# Altium PCB ESC_PIC32MK.PcbDoc (part 1 of 2) (continued)
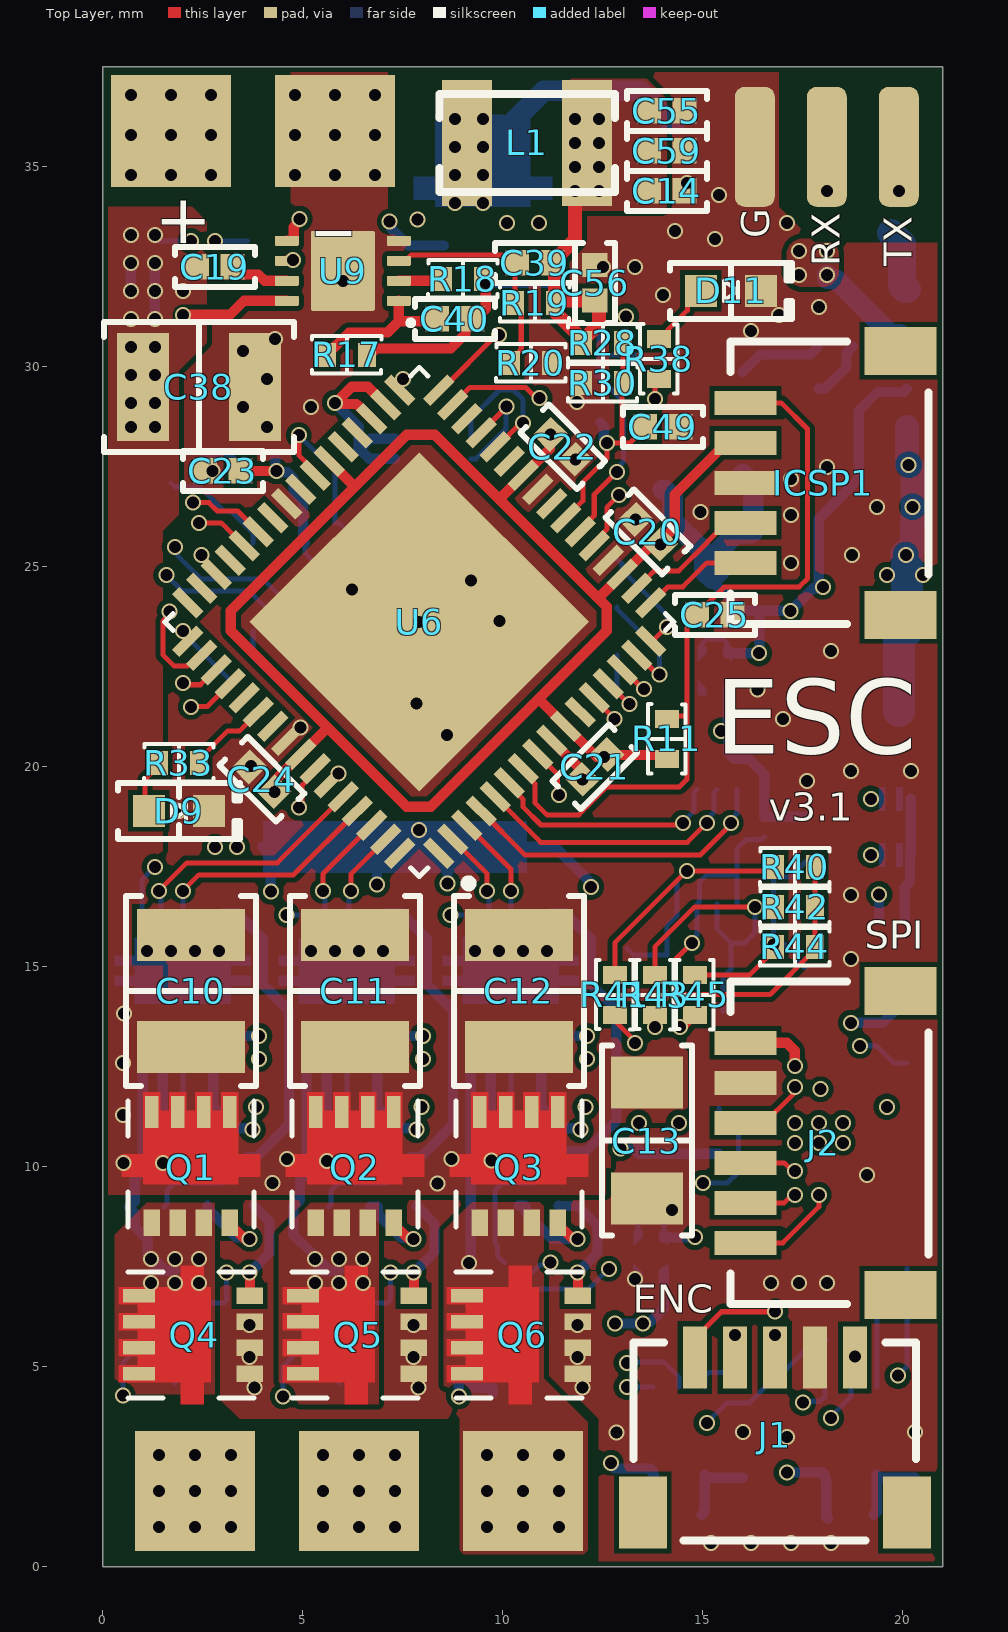
[diagram p0: Top Layer view]
## Design rules (kind name [scope] priority, off if disabled: settings)
BoardOutlineClearance [((OnLayer('Top Overlay') = False) AND (OnLayer('Bottom Overlay') = False))] p1: gap=0.127 ignorepadtopadclearanceinfootprint=FALSE
Clearance "PolyGon Pour Clearance" [InPolygon] p1: gap=0.127 ignorepadtopadclearanceinfootprint=FALSE
Clearance [All] p2: gap=0.127 ignorepadtopadclearanceinfootprint=FALSE
HoleSize [All] p1: absolutevalues=TRUE maxlimit=50 minlimit=0.2 maxpercent=80.000 minpercent=20.000
HoleToHoleClearance [All] p1: gap=0.2 allowstackedmicrovias=TRUE
MinimumSolderMaskSliver [All] p1: minsoldermaskwidth=0.01
PlaneClearance [All] p1: clearance=0.127
PlaneConnect [All] p1: pad.planeconnectstyle=Direct pad.reliefexpansion=0.508 pad.reliefentries=4 pad.reliefconductorwidth=0.254 pad.reliefairgap=0.254 via.planeconnectstyle=Relief via.reliefexpansion=0.508 via.reliefentries=4 via.reliefconductorwidth=0.254 via.reliefairgap=0.254
PolygonConnect PolygonRelief [IsPolygon and not (IsNamedPolygon('PolygonDirect'))] p1: thpad.connectstyle=Relief thpad.reliefconductorwidth=0.254 thpad.reliefentries=4 thpad.polygonreliefangle="90 Angle" thpad.airgapwidth=0.254 smdpad.connectstyle=Relief smdpad.reliefconductorwidth=0.254 smdpad.reliefentries=4 smdpad.polygonreliefangle="90 Angle" smdpad.airgapwidth=0.254 via.connectstyle=Direct via.reliefconductorwidth=0.254 via.reliefentries=4 via.polygonreliefangle="90 Angle" via.airgapwidth=0.254
PolygonConnect PolygonDirect [All] p2: connectstyle=Direct reliefconductorwidth=0.254 reliefentries=4 polygonreliefangle="90 Angle" airgapwidth=0.254
RoutingVias [All] p1: holewidth=0.3 width=0.45 viastyle="Through Hole" minholewidth=0.3 minwidth=0.4 maxholewidth=0.5 maxwidth=10
SolderMaskExpansion SolderMaskExpansionVia [IsVia] p1: expansion=0.102 istentingtop=TRUE
SolderMaskExpansion [All] p2: expansion=0.102 istentingtop=FALSE
SupplyNets "Schematic Supply Nets_7" [InNet('VIN')] p1: voltage=0.000
SupplyNets "Schematic Supply Nets_5" [InNet('3V3_MCU')] p2: voltage=0.000
SupplyNets "Schematic Supply Nets_4" [InNet('5V')] p3: voltage=0.000
SupplyNets "Schematic Supply Nets_3" [InNet('12V')] p4: voltage=0.000
SupplyNets "Schematic Supply Nets_2" [InNet('GND')] p5: voltage=0.000
SupplyNets "Schematic Supply Nets_1" [InNet('3V3')] p6: voltage=0.000
SupplyNets "Schematic Supply Nets" [InNet('VBAT')] p7: voltage=0.000
Width [All] p1: maxlimit=2 minlimit=0.127 preferedwidth=0.254
25 further rules are at their usual default settings.

## Classes and differential pairs
component class U_Half_Bridges: C1 C2 C3 C4 C5 C6 C7 C8 C9 C18 C37 C42 C43 C44 C51 C52 D2 D3 D4 Q1 Q2 Q3 Q4 Q5 Q6 R1 R2 R3 R4 R5 R6 R7 R8 R9 R10 R12 R13 R14 R15 R16 R32 R34 R40 R41 R42 R43 R44 R45 R46 R47 R48 U1 U2 U3 U7 U8

## Components (designator, comment, footprint, x,y, rotation, side; value= is the part's Value field where it differs from the comment)
C1 "0.1 µF" "CAP 0402_1005" 1.1,9 r0 bottom
C2 "1 µF" "CAP 0402_1005" 3.2,11.6 r0 bottom
C3 "0.1 µF" "CAP 0402_1005" 3.2,12.6 r0 bottom
C4 "0.1 µF" "CAP 0402_1005" 5.2,9 r0 bottom
C5 "1 µF" "CAP 0402_1005" 7.3,12.6 r0 bottom
C6 "0.1 µF" "CAP 0402_1005" 7.3,11.6 r0 bottom
C7 "0.1 µF" "CAP 0402_1005" 9.6,7.6 r0 bottom
C8 "1 µF" "CAP 0402_1005" 11.4,11.6 r0 bottom
C9 "0.1 µF" "CAP 0402_1005" 11.4,12.6 r0 bottom
C10 "100 µF" "CAP 1210_3225 - 1MM" 2.2,14.4 r270 top
C11 "100 µF" "CAP 1210_3225 - 1MM" 6.3,14.4 r270 top
C12 "100 µF" "CAP 1210_3225 - 1MM" 10.4,14.4 r270 top
C13 "10 µF" "CAP 1206_3216 - 0.8MM" 13.6,10.652 r90 top
C14 "1 µF" "CAP 0402_1005" 14.1,34.4 r180 top
C15 "100 µF" "CAP 1210_3225 - 1MM" 2.4,30.2 r180 bottom
C16 "0.1 µF" "CAP 0402_1005" 6.4,27.5 r90 bottom
C17 "0.1 µF" "CAP 0402_1005" 8.9,5.3 r270 bottom
C18 "0.1 µF" "CAP 0402_1005" 17.1,2.8 r90 bottom
C19 "0.1 µF" "CAP 0402_1005" 2.8,32.5 r0 top
C20 "0.1 µF" "CAP 0402_1005" 13.628,25.875 r315 top
C21 "0.1 µF" "CAP 0402_1005" 12.3,20 r45 top
C22 "0.1 µF" "CAP 0402_1005" 11.5,28 r135 top
C23 "0.1 µF" "CAP 0402_1005" 3,27.4 r0 top
C24 "0.1 µF" "CAP 0402_1005" 3.976,19.688 r315 top
C25 "0.1 µF" "CAP 0402_1005" 15.3,23.8 r0 top
C26 "1 µF" "CAP 0402_1005" 18.3,30.5 r180 bottom
C27 "22 µF" "CAP 0805_2012" 12.3,34 r90 bottom
C28 "1 µF" "CAP 0402_1005" 16.7,25.9 r180 bottom
C29 "22 µF" "CAP 0603_1608" 15.9,24.7 r180 bottom
C30 "22 µF" "CAP 0603_1608" 19.4,25.3 r0 bottom
C31 "0.1 µF" "CAP 0402_1005" 19.8,26.5 r0 bottom
C32 "0.1 µF" "CAP 0402_1005" 16.4,22.4 r90 bottom
C33 "0.1 µF" "CAP 0402_1005" 15.9,20.9 r180 bottom
C34 "0.1 µF" "CAP 0402_1005" 14.8,7.8 r90 bottom
C35 "0.1 µF" "CAP 0402_1005" 14.3,6.3 r180 bottom
C36 "100 µF" "CAP 1210_3225 - 1MM" 17.5,9.5 r90 bottom
C37 "0.1 µF" "CAP 0402_1005" 12.8,2.9 r90 bottom
C38 "100 µF" "CAP 1210_3225 - 1MM" 2.4,29.5 r180 top
C39 "22pF" "CAP 0402_1005" 10.8,32.6 r0 top
C40 "1 nF" "CAP 0402_1005" 8.8,31.2 r0 top
C41 "0.1 µF" "CAP 0402_1005" 17.6,19.2 r270 bottom
C42 "10 nF" "CAP 0402_1005" 13.1,15.9 r270 bottom
C43 "10 nF" "CAP 0402_1005" 16.1,14.9 r180 bottom
C44 "10 nF" "CAP 0402_1005" 17.6,17.2 r90 bottom
C45 "0.1 µF" "CAP 0402_1005" 11.9,29.8 r0 bottom
C46 "100 µF" "CAP 1210_3225 - 1MM" 10.6,19.4 r270 bottom
C47 "100 µF" "CAP 1210_3225 - 1MM" 7.3,19.4 r270 bottom
C48 "100 µF" "CAP 1210_3225 - 1MM" 4,19.4 r270 bottom
C49 "0.1 µF" "CAP 0402_1005" 14,28.5 r180 top
C50 "0.1 µF" "CAP 0402_1005" 4.5,26.7 r180 bottom
C51 "10 nF" "CAP 0402_1005" 18.1,6.1 r90 bottom
C52 "10 nF" "CAP 0402_1005" 20.1,7.9 r90 bottom
C53 "0.1 µF" "CAP 0402_1005" 1.7,23 r180 bottom
C54 "22 µF" "CAP 0805_2012" 19.1,23.2 r0 bottom
C55 "1 µF" "CAP 0402_1005" 14.1,36.4 r180 top
C56 "0.1 µF" "CAP 0402_1005" 12.3,32.1 r270 top
C57 "100 µF" "CAP 1210_3225 - 1MM" 17,34 r270 bottom
C58 "0.1 µF" "CAP 0402_1005" 9.2,25.1 r90 bottom
C59 "1 µF" "CAP 0402_1005" 14.1,35.4 r180 top
C60 "100 µF" "CAP 1210_3225 - 1MM" 7.1,31 r0 bottom
C61 "22 µF" "CAP 0805_2012" 19.1,21.4 r0 bottom
C62 "22 µF" "CAP 0603_1608" 14,27.6 r270 bottom
D1 "SE10FGHM3/H" "SMF DO-219AB" 19.7,34.8 r270 bottom
D2 "TVN3V3B1S-DFN1006-2LDG" 0402 12.5,22.8 r0 bottom
D3 "TVN3V3B1S-DFN1006-2LDG" 0402 12.5,25.2 r0 bottom
D4 "TVN3V3B1S-DFN1006-2LDG" 0402 12.5,24 r0 bottom
D5 "TVN3V3B1S-DFN1006-2LDG" 0402 13.8,30.3 r180 bottom
D6 "TVN3V3B1S-DFN1006-2LDG" 0402 12.1,28.6 r0 bottom
D9 "Green" "LED 0603_1608 GREEN" 1.9,18.9 r0 top
D11 "Green" "LED 0603_1608 GREEN" 15.7,31.9 r0 top
D12 "SE10FGHM3/H" "SMF DO-219AB" 14.3,34.6 r90 bottom
ICSP1 "SM05B-SRSS-TB(LF)(SN)" "JST SM05B-SRSS-TB" 18.1,27.1 r270 top
J1 "SM05B-SRSS-TB(LF)(SN)" "JST SM05B-SRSS-TB" 16.8,3.2 r180 top
J2 "SM06B-SRSS-TB(LF)(SN)" "JST SM06B-SRSS-TB" 18.1,10.6 r270 top
L1 "2.2µH" "IND 1008_2520"#1 10.6,35.6 r0 top
L2 "4.7µH" "IND 1008_2520"#2 16,28.6 r270 bottom
Q1 "NVTFS5C680NL" NVTFS015N04CTAG 2.2,10.07 r90 top
Q2 "NVTFS5C680NL" NVTFS015N04CTAG 6.3,10.07 r90 top
Q3 "NVTFS5C680NL" NVTFS015N04CTAG 10.4,10.07 r90 top
Q4 "NVTFS5C680NL" NVTFS015N04CTAG 2.2,5.8 r180 top
Q5 "NVTFS5C680NL" NVTFS015N04CTAG 6.3,5.8 r180 top
Q6 "NVTFS5C680NL" NVTFS015N04CTAG 10.4,5.8 r180 top
Q7 "NVTFS5C680NL" NVTFS015N04CTAG 9.5,34.5 r90 bottom
R1 "10k" RES_0402 18.7,1.3 r0 bottom
R2 "2R" RES_0402 2.619,9.604 r270 bottom
R3 "10k" RES_0402 13.4,10.9 r90 bottom
R4 "10k" RES_0402 14.4,1.3 r0 bottom
R5 "10 mOhms" "RES 1206_3216" 1.8,6 r270 bottom value="39 mOhms"
R6 "2R" RES_0402 3.619,9.604 r270 bottom
R7 "2R" RES_0402 6.7,9.6 r270 bottom
R8 "10 mOhms" "RES 1206_3216" 5.9,6 r270 bottom value="39 mOhms"
R9 "10k" RES_0402 14.4,10.9 r90 bottom
R10 "10k" RES_0402 16,2.8 r90 bottom
R11 "4.7k" RES_0402 14.1,20.7 r270 top
R12 "2R" RES_0402 7.7,9.6 r270 bottom
R13 "2R" RES_0402 10.4,9.6 r270 bottom
R14 "10k" RES_0402 15.4,10.9 r90 bottom
R15 "2R" RES_0402 11.4,9.6 r270 bottom
R16 "10k" RES_0402 20.3,2.8 r90 bottom
R17 "10k" RES_0402 6.1,30.3 r180 top
R18 "100k" RES_0402 9,32.2 r0 top
R19 "42k" RES_0402 10.8,31.6 r180 top
R20 "4.7k" RES_0402 10.7,30.1 r0 top
R21 "0R" RES_0402 19.7,19.2 r180 bottom
R22 "0R" RES_0402 19.7,17.8 r180 bottom
R23 "10k" RES_0402 3.8,27.7 r180 bottom
R24 "4.7k" RES_0402 1.7,26.6 r270 bottom
R25 "1R" "RES 0603_1608" 20.1,31.3 r270 bottom
R27 "33k" RES_0402 11.9,31.8 r180 bottom
R28 "33k" RES_0402 12.5,30.6 r180 top
R29 "4.7k" RES_0402 11.9,30.8 r180 bottom
R30 "10k" RES_0402 12.5,29.6 r180 top
R31 "10 mOhms" "RES 1206_3216" 2.4,32.9 r180 bottom value="39 mOhms"
R32 "1k" RES_0402 16.4,4.9 r180 bottom
R33 "2k" RES_0402 1.9,20.1 r0 top
R34 "1k" RES_0402 19.8,6.4 r180 bottom
R35 "10k" RES_0402 3.8,22.2 r0 bottom
R38 "1k" RES_0402 13.9,30.2 r270 top
R40 "33k" RES_0402 17.3,17.5 r0 top
R41 "33k" RES_0402 12.8,14.3 r90 top
R42 "33k" RES_0402 17.3,16.5 r0 top
R43 "33k" RES_0402 13.8,14.3 r90 top
R44 "33k" RES_0402 17.3,15.5 r0 top
R45 "33k" RES_0402 14.8,14.3 r90 top
R46 "10k" RES_0402 14.1,14.8 r270 bottom
R47 "10k" RES_0402 16,13.9 r0 bottom
R48 "10k" RES_0402 17.6,14.5 r270 bottom
U1 "UCC27282" VSON-10 2,14.9 r90 bottom
U2 "UCC27282" VSON-10 6.1,14.9 r90 bottom
U3 "UCC27282" VSON-10 10.2,14.9 r90 bottom
U4 "TMP1075" 8_WSON_2x2_0.5mm 10.5,5.3 r270 bottom
U5 "TMP1075" 8_WSON_2x2_0.5mm 8.25,27.45 r180 bottom
U6 "PIC32MK0512MCF064" QFN50P900X900X100-65N 7.911,23.623 r135 top
U7 "INA185" "TI SC70-6 DCK" 14.4,3.4 r90 bottom
U8 "INA185" "TI SC70-6 DCK" 18.7,3.4 r90 bottom
U9 "LM25085" 8_WSON_3x3_0.5mm 6,32.4 r180 top
U10 "5V Buck" "TSOT-26-6 - 3.2mm" 19,28.5 r90 bottom
U11 "3.3V LDO" XDFN-4 15.3,22.4 r90 bottom
U12 "3.3V LDO" XDFN-4 13.7,7.8 r90 bottom
U13 "4x Comparator" QFN50P300X300X100-16N 15.1,18 r180 bottom
U14 "INA185" "TI SC70-6 DCK" 4.4,24.5 r270 bottom
U15 "TPS22810" 6-WSON_2x2_0.65mm 19.4,15.2 r90 bottom
Y1 "27MHz" "ABRACON ASD" 7.1,25.1 r180 bottom

## Footprints (in the part's own frame and the unit in brackets; to place one, negate y for a bottom-side part, rotate by r counter-clockwise, add the part's x,y. Pads: shape width x height; smd on the part's side, far side on the other; paste and mask are expansions set on the pad)
6-WSON_2x2_0.65mm [mm]
  rrect25% 0.45x0.3 smd: 1(-0.975,0.65) 2(-0.975,0) 3(-0.975,-0.65) 4(0.975,-0.65) 5(0.975,0) 6(0.975,0.65)
  rrect5% 0.9x1.6 smd paste-2: 7(0,0)
  silkscreen extent -1.01,1.14 -0.89,1.26, body extent -1,-1 1,1, height 0.75
8_WSON_2x2_0.5mm [mm]
  rrect25% 0.5x0.25 smd: 1(-0.95,0.75) 2(-0.95,0.25) 3(-0.95,-0.25) 4(-0.95,-0.75) 5(0.95,-0.75) 6(0.95,-0.25) 7(0.95,0.25) 8(0.95,0.75)
  rrect5% 0.9x1.6 smd paste-2: 9(0,0)
  silkscreen extent -1.01,1.14 -0.89,1.26, body extent -1,-1 1,1, height 0.75
8_WSON_3x3_0.5mm [mm]
  rrect25% 0.6x0.25 smd: 1(-1.4,0.75) 2(-1.4,0.25) 3(-1.4,-0.25) 4(-1.4,-0.75) 5(1.4,-0.75) 6(1.4,-0.25) 7(1.4,0.25) 8(1.4,0.75)
  rrect5% 1.6x2 smd paste-2: 9(0,0)
  silkscreen extent -1.76,1.24 -1.64,1.36, body extent -1.5,-1.5 1.5,1.5, height 0.8
0402 [mm] "SODFL, 2-Leads, Body 0.675x1.075mm, IPC Medium Density"
  rect 0.4x0.7 smd: 1(-0.35,0) 2(0.35,0)
  silkscreen extent -0.8,-0.63 0.92,0.63, body extent -0.51,-0.31 0.5,0.3, height 0.45
"ABRACON ASD" [mm] "Crystal, 4-Leads, Body 2.00x2.45mm, Pitch 1.65mm, IPC Medium Density"
  rect 0.9x0.8 smd: 1(-0.865,-0.665) 2(0.865,-0.665) 3(0.865,0.665) 4(-0.865,0.665)
  silkscreen extent -1.75,-1.55 1.6,1.4, body extent -1.27,-1.02 1.28,1.03, height 1
"CAP 0402_1005" [mm] "Chip Capacitor, 2-Leads, Body 1.02x0.51mm, IPC Medium Density"
  rect 0.6x0.64 smd: 1(-0.44,0) 2(0.44,0)
  silkscreen extent -1,-0.5 1,0.5, body extent -0.5,-0.26 0.5,0.26, height 0.52
"CAP 0603_1608" [mm] "Chip Capacitor, 2-Leads, Body 1.60x0.80mm, IPC Medium Density"
  rect 0.9x1 smd: 1(-0.675,0) 2(0.675,0)
  silkscreen extent -1.4,-0.7 1.4,0.7, body extent -0.8,-0.41 0.8,0.41, height 0.82
"CAP 0805_2012" [mm] "Chip Capacitor, 2-Leads, Body 2.00x1.20mm, IPC Medium Density"
  rect 1.3x1.4 smd: 1(-0.8,0) 2(0.8,0)
  silkscreen extent -1.7,-0.9 1.7,0.9, body extent -1,-0.64 1,0.64, height 1.26
"CAP 1206_3216 - 0.8MM" [mm] "Chip Capacitor, 2-Leads, Body 3.25x1.60mm, IPC Medium Density"
  rect 1.3x1.8 smd: 1(-1.45,0) 2(1.45,0)
  silkscreen extent -2.37,-1.12 2.37,1.12, body extent -1.6,-0.8 1.6,0.8, height 0.8
"CAP 1210_3225 - 1MM" [mm] "Chip Capacitor, 2-Leads, Body 3.20x2.50mm, IPC Medium Density"
  rect 1.3x2.7 smd: 1(-1.4,0) 2(1.4,0)
  silkscreen extent -2.37,-1.63 2.37,1.63, body extent -1.6,-1.25 1.6,1.25, height 1
"IND 1008_2520"#1 [mm] "Chip Inductance, 2-leads, Body 2.5x2.1mm, IPC Medium Density"
  rect 1.25x3.15 smd: 1(-1.5,0) 2(1.5,0)
  silkscreen extent -2.18,-1.22 2.2,1.22, body extent -1.3,-1.05 1.3,1.05, height 1
"IND 1008_2520"#2 [mm] "Chip Inductance, 2-leads, Body 2.5x2.1mm, IPC Medium Density"
  rect 1.2x1.75 smd: 1(-1.275,0) 2(1.275,0)
  silkscreen extent -2.18,-1.22 2.2,1.22, body extent -1.3,-1.05 1.3,1.05, height 1
"JST SM05B-SRSS-TB" [mm] "1.0mm pitch/Disconnectable Crimp style connector"
  rect 0.6x1.55 smd: 1(-2,-2.032) 2(-1,-2.032) 3(0,-2.032) 4(1,-2.032) 5(2,-2.032)
  rect 1.2x1.8 smd: M(-3.3,1.843) M(3.3,1.843)
  silkscreen extent -3.53,-2.41 3.53,2.54, body extent -3.5,-2.38 3.5,2.57, height 2.95
"JST SM06B-SRSS-TB" [mm] "1.0mm pitch/Disconnectable Crimp style connector"
  rect 0.6x1.55 smd: 1(-2.5,-2.032) 2(-1.5,-2.032) 3(-0.5,-2.032) 4(0.5,-2.032) 5(1.5,-2.032) 6(2.5,-2.032)
  rect 1.2x1.8 smd: M(-3.8,1.843) M(3.8,1.843)
  silkscreen extent -4.03,-2.41 4.03,2.54, body extent -4,-2.38 4,2.57, height 2.95
"LED 0603_1608 GREEN" [mm] "Chip Diode, 2-Leads, Body 1.60x0.80mm, IPC Medium Density"
  rect 0.8x0.8 smd: 1(-0.75,0) 2(0.75,0)
  silkscreen extent -1.52,-0.7 1.52,0.7, body extent -0.8,-0.4 0.8,0.4, height 0.53
NVTFS015N04CTAG [mm]
  rect 0.66x0.42 smd: 1(-1.47,0.975) 2(-1.47,0.325) 3(-1.47,-0.325) 4(-1.47,-0.975)
  rect 0.8x0.34 smd: 5(1.3,-0.975) 6(1.3,-0.325) 7(1.3,0.325) 8(1.3,0.975)
  Top Layer region: -0.5,-1.185 -0.5,1.185 -0.32,1.185 -0.32,1.73 0.25,1.73 0.25,1.185 1.8,1.185 1.8,0.765 1.33,0.765 1.33,0.535 1.8,0.535 1.8,0.115 1.33,0.115 1.33,-0.115 1.8,-0.115 1.8,-0.535 1.33,-0.535 1.33,-0.765 1.8,-0.765 1.8,-1.185 0.25,-1.185 0.25,-1.73 -0.32,-1.73 -0.32,-1.185
  silkscreen extent -1.58,-1.58 1.58,1.58, body extent -1.7,-1.7 1.7,1.7, height 1.1
QFN50P300X300X100-16N [mm]
  rrect25% 0.84x0.26 smd: 1(-1.435,0.75) 2(-1.435,0.25) 3(-1.435,-0.25) 4(-1.435,-0.75) 9(1.435,-0.75) 10(1.435,-0.25) 11(1.435,0.25) 12(1.435,0.75)
  rrect25% 0.26x0.84 smd: 5(-0.75,-1.435) 6(-0.25,-1.435) 7(0.25,-1.435) 8(0.75,-1.435) 13(0.75,1.435) 14(0.25,1.435) 15(-0.25,1.435) 16(-0.75,1.435)
  silkscreen extent -2.1,-1.5 1.5,1.5, body extent -1.5,-1.5 1.5,1.5, height 1
QFN50P900X900X100-65N [mm]
  rect 0.86x0.26 smd: 1(-4.435,3.75) 2(-4.435,3.25) 3(-4.435,2.75) 4(-4.435,2.25) 5(-4.435,1.75) 6(-4.435,1.25) 7(-4.435,0.75) 8(-4.435,0.25) 9(-4.435,-0.25) 10(-4.435,-0.75) 11(-4.435,-1.25) 12(-4.435,-1.75) 13(-4.435,-2.25) 14(-4.435,-2.75) 15(-4.435,-3.25) 16(-4.435,-3.75) 33(4.435,-3.75) 34(4.435,-3.25) 35(4.435,-2.75) 36(4.435,-2.25) 37(4.435,-1.75) 38(4.435,-1.25) 39(4.435,-0.75) 40(4.435,-0.25) 41(4.435,0.25) 42(4.435,0.75) 43(4.435,1.25) 44(4.435,1.75) 45(4.435,2.25) 46(4.435,2.75) 47(4.435,3.25) 48(4.435,3.75)
  rect 0.26x0.86 smd: 17(-3.75,-4.435) 18(-3.25,-4.435) 19(-2.75,-4.435) 20(-2.25,-4.435) 21(-1.75,-4.435) 22(-1.25,-4.435) 23(-0.75,-4.435) 24(-0.25,-4.435) 25(0.25,-4.435) 26(0.75,-4.435) 27(1.25,-4.435) 28(1.75,-4.435) 29(2.25,-4.435) 30(2.75,-4.435) 31(3.25,-4.435) 32(3.75,-4.435) 49(3.75,4.435) 50(3.25,4.435) 51(2.75,4.435) 52(2.25,4.435) 53(1.75,4.435) 54(1.25,4.435) 55(0.75,4.435) 56(0.25,4.435) 57(-0.25,4.435) 58(-0.75,4.435) 59(-1.25,4.435) 60(-1.75,4.435) 61(-2.25,4.435) 62(-2.75,4.435) 63(-3.25,4.435) 64(-3.75,4.435)
  rect 6x6 smd: 65(0,0)
  silkscreen extent -5.59,-4.5 4.5,4.5, body extent -4.52,-4.52 4.52,4.52, height 0.9
"RES 0603_1608" [mm] "Chip Resistor, 2-Leads, Body 1.60x0.80mm, IPC Medium Density"
  rect 0.85x0.95 smd: 1(-0.65,0) 2(0.65,0)
  silkscreen extent -1.27,-0.7 1.27,0.7, body extent -0.8,-0.4 0.8,0.4, height 0.45
"RES 1206_3216" [mm] "Chip Resistor, 2-Leads, Body 3.13x1.55mm, IPC Medium Density"
  rect 1.2x1.65 smd: 1(-1.4,0) 2(1.4,0)
  silkscreen extent -2.3,-1.1 2.3,1.1, body extent -1.6,-0.8 1.6,0.8, height 0.6
RES_0402 [mm]
  rect 0.45x0.6 smd: 1(-0.5,0) 2(0.5,0)
  silkscreen extent -0.87,-0.47 0.87,0.47, body extent -0.5,-0.25 0.5,0.25, height 0.35
"SMF DO-219AB" [mm] "Molded Diode, 2-Leads, Body 3.90x1.90mm, IPC Medium Density"
  rect 1.3x1.4 smd: 1(-1.45,0) 2(1.45,0)
  silkscreen extent -2.4,-1.1 2.59,1.1, body extent -1.5,-0.9 1.5,0.9, height 1.18
"TI SC70-6 DCK" [mm] "SC70, 6-Leads, Body 2.00x2.10mm, Pitch 0.65mm, IPC Medium Density"
  rect 0.85x0.35 smd: 1(-1.1,0.65) 2(-1.1,0) 3(-1.1,-0.65) 4(1.1,-0.65) 5(1.1,0) 6(1.1,0.65)
  silkscreen extent -1.12,-0.9 0.3,1.43, body extent -1.06,-1 1.06,1, height 1.1
"TSOT-26-6 - 3.2mm" [mm]
  rect 0.7x1 smd: 1(0.95,1.1) 2(0,1.1) 3(-0.95,1.1) 4(-0.95,-1.1) 5(0,-1.1) 6(0.95,-1.1)
  silkscreen extent 1.55,1.25 1.65,1.36, body extent -1.45,-1.2 1.45,1.2, height 1
VSON-10 [mm]
  rrect25% 0.6x0.24 smd mask+0: 1(-1.4,1) 2(-1.4,0.5) 3(-1.4,0) 4(-1.4,-0.5) 5(-1.4,-1) 6(1.4,-1) 7(1.4,-0.5) 8(1.4,0) 9(1.4,0.5) 10(1.4,1)
  rrect5% 1.65x2.4 smd paste-2 mask+0: 11(0,0)
  Top Layer region: 0.375,1.2 0.825,1.2 0.825,-1.2 0.375,-1.2 0.375,-1.7 0.125,-1.7 0.125,-1.2 -0.125,-1.2 -0.125,-1.7 -0.375,-1.7 -0.375,-1.2 -0.825,-1.2 -0.825,1.2 -0.375,1.2 -0.375,1.7 -0.125,1.7 -0.125,1.2 0.125,1.2 0.125,1.7 0.375,1.7
  silkscreen extent -2.04,-1.5 1.5,1.6, body extent -1.5,-1.5 1.5,1.5, height 1
XDFN-4 [mil]
  round 1 smd mask+2.56: 1(-16.93,12.79) 2(-16.93,-12.79) 3(16.93,-12.79) 4(16.93,12.79)
  rect 18.9x18.9 smd rot 135 mask+2.56: 5(0,0)
  Top Layer region: -16.93,-8.65 -9.84,-15.75 -9.84,-16.93 -24.02,-16.93 -24.02,-8.65
  Top Layer region: -16.93,8.65 -9.84,15.75 -9.84,16.93 -24.02,16.93 -24.02,8.65
  Top Layer region: 16.93,8.65 9.84,15.75 9.84,16.93 24.02,16.93 24.02,8.65
  Top Layer region: 16.93,-8.65 9.84,-15.75 9.84,-16.93 24.02,-16.93 24.02,-8.65
  silkscreen extent -31,-20 20,20, body extent -20,-20 20,20, height 16

## Part data
C1 C3 C4 C6 C7 C9 C16 C17 C18 C19 C20 C21 C22 C23 C24 C25 C31 C32 C33 C34 C35 C37 C41 C42 C43 C44 C45 C49 C50 C53 C56 C58: library part C0402C104K4RACAUTO, "CAP CER 0.1UF 16V X7R 0402", Device Package="0402 (1005 Metric)", Manufacturer=KEMET, Operating Temperature="-55°C ~ 125°C", Ratings=AEC-Q200, Supplier Part Number 1=399-6828-1-ND, Temperature Coefficient=X7R, Tolerance=±10%, Voltage - Rated=16V, Applications="Automotive, Bypass, Decoupling", ComponentLink1Description=Datasheet, ComponentLink1URL=https://api.kemet.com/component-edge/download/specsheet/C0402C104K4RACAUTO.pdf, ComponentLink2Description="DigiKey Link", ComponentLink2URL=https://www.digikey.com/en/products/detail/kemet/C0402C104K4RACAUTO/3314827, LastUpdated="2/9/2024 8:04:35 PM", Lifecycle Status=Active, Minimum Order=1, Mounting Type="Surface Mount, MLCC", Package / Case="0402 (1005 Metric)", Packaging=TapeAndReel, Part Number=C0402C104K4RACAUTO, Part Status=Active, PartId=3024, Price=0.01, Series="SMD Auto X7R", Size / Dimension="0.039\" L x 0.020\" W (1.00mm x 0.50mm)", Supplier 1=DigiKey, Thickness (Max)="0.022\" (0.55mm)"
  C1 C3 C4 C6 C7 C9 C16 C17 C18 C19 C20 C21 C22 C23 C24 C25 C31 C32 C33 C34 C35 C37 C41 C45 C49 C50 C53 C56 C58: Capacitance="0.1 µF"
C2 C5 C8 C14 C26 C28 C39 C40 C51 C52 C55 C59: library part C0402C104K4RACAUTO, "CAP CER 0.1UF 16V X7R 0402", Capacitance="0.1 µF", Device Package="0402 (1005 Metric)", Manufacturer=KEMET, Operating Temperature="-55°C ~ 125°C", Ratings=AEC-Q200, Supplier Part Number 1=399-6828-1-ND, Temperature Coefficient=X7R, Tolerance=±10%, Voltage - Rated=16V, Applications="Automotive, Bypass, Decoupling", ComponentLink1Description=Datasheet, ComponentLink1URL=https://api.kemet.com/component-edge/download/specsheet/C0402C104K4RACAUTO.pdf, ComponentLink2Description="DigiKey Link", ComponentLink2URL=https://www.digikey.com/en/products/detail/kemet/C0402C104K4RACAUTO/3314827, LastUpdated="2/9/2024 8:04:35 PM", Lifecycle Status=Active, Minimum Order=1, Mounting Type="Surface Mount, MLCC", Package / Case="0402 (1005 Metric)", Packaging=TapeAndReel, Part Number=C0402C104K4RACAUTO, Part Status=Active, PartId=3024, Price=0.01, Series="SMD Auto X7R", Size / Dimension="0.039\" L x 0.020\" W (1.00mm x 0.50mm)", Supplier 1=DigiKey, Thickness (Max)="0.022\" (0.55mm)"
C10 C11 C12 C15 C36 C38 C46 C47 C48 C57 C60: library part MSASE32MAB5107MPNA01, "CAP CER 100UF 16V X5R 1210", Device Package="1210 (3225 Metric)", Manufacturer="Taiyo Yuden", Operating Temperature="-55°C ~ 85°C", Supplier Part Number 1=587-MSASE32MAB5107MPNA01CT-ND, Temperature Coefficient=X5R, Tolerance=±20%, Voltage - Rated=16V, Applications="SMPS Filtering", Capacitance="100 µF", ComponentLink1Description=Datasheet, ComponentLink1URL=https://mm.digikey.com/Volume0/opasdata/d220001/medias/docus/5731/MSR01_e.pdf, ComponentLink2Description="DigiKey Link", ComponentLink2URL=https://www.digikey.com/en/products/detail/taiyo-yuden/MSASE32MAB5107MPNA01/16664685, LastUpdated="6/4/2024 7:20:42 PM", Lifecycle Status=Active, Minimum Order=1, Mounting Type="Surface Mount, MLCC", Package / Case="1210 (3225 Metric)", Packaging=TapeAndReel, Part Number=MSASE32MAB5107MPNA01, PartId=58478, Price=0.66, Series=MSAS, Size / Dimension="0.126\" L x 0.098\" W (3.20mm x 2.50mm)", Supplier 1=DigiKey, Thickness (Max)="0.110\" (2.80mm)"
C13: library part CL31X106KAHNNNE, "CAP CER 10UF 25V X6S 1206", Device Package="1206 (3216 Metric)", Manufacturer="Samsung Electro-Mechanics", Operating Temperature="-55°C ~ 105°C", Supplier Part Number 1=1276-3298-1-ND, Temperature Coefficient=X6S, Tolerance=±10%, Voltage - Rated=25V, Applications="General Purpose", Capacitance="10 µF", ComponentLink1Description=Datasheet, ComponentLink1URL=http://www.samsungsem.com/kr/support/product-search/mlcc/CL31X106KAHNNNE.jsp, ComponentLink2Description="DigiKey Link", ComponentLink2URL=https://www.digikey.com/en/products/detail/samsung-electro-mechanics/CL31X106KAHNNNE/3888956, LastUpdated="6/4/2024 7:10:40 PM", Lifecycle Status=Active, Minimum Order=1, Mounting Type="Surface Mount, MLCC", Package / Case="1206 (3216 Metric)", Packaging=TapeAndReel, Part Number=CL31X106KAHNNNE, Part Status=Active, PartId=20108, Price=0.05, Series=CL, Size / Dimension="0.126\" L x 0.063\" W (3.20mm x 1.60mm)", Supplier 1=DigiKey, Thickness (Max)="0.071\" (1.80mm)"
C27 C54 C61: library part KGM21AS61C226MU, "CAP CER 22UF 16V X6S 0805", Device Package="0805 (2012 Metric)", Manufacturer="KYOCERA AVX", Operating Temperature="-55°C ~ 105°C", Supplier Part Number 1=478-KGM21AS61C226MUCT-ND, Temperature Coefficient=X6S, Tolerance=±20%, Voltage - Rated=16V, Applications="General Purpose", Capacitance="22 µF", ComponentLink1Description=Datasheet, ComponentLink1URL=https://media.digikey.com/pdf/Data%20Sheets/AVX%20PDFs/CM03_CM05_CM105_CM21_CM316_Spec.pdf, ComponentLink2Description="DigiKey Link", ComponentLink2URL=https://www.digikey.com/en/products/detail/kyocera-avx/KGM21AS61C226MU/17827473, LastUpdated="2/9/2024 8:14:12 PM", Lifecycle Status=Active, Minimum Order=1, Mounting Type="Surface Mount, MLCC", Package / Case="0805 (2012 Metric)", Packaging=TapeAndReel, Part Number=KGM21AS61C226MU, Part Status=Active, PartId=52516, Price=0.12, Series="KGM - X6S", Size / Dimension="0.079\" L x 0.049\" W (2.01mm x 1.25mm)", Supplier 1=DigiKey, Thickness (Max)="0.057\" (1.45mm)"
C29 C30 C62: library part C0603B476M007T, "CAP CER 47UF 6.3V X5R 0603", Capacitance="47 µF", Device Package="0603 (1608 Metric)", Manufacturer="Holy Stone Enterprise Co., Ltd.", Operating Temperature="-55°C ~ 85°C", Supplier Part Number 1=4587-C0603B476M007TCT-ND, Temperature Coefficient=X5R, Tolerance=±20%, Voltage - Rated=6.3V, Applications="SMPS Filtering", ComponentLink1Description=Datasheet, ComponentLink1URL=https://media.digikey.com/pdf/Data%20Sheets/Holy%20Stone/HCC_Series_DS.pdf, ComponentLink2Description="DigiKey Link", ComponentLink2URL=https://www.digikey.com/en/products/detail/holy-stone-enterprise-co-ltd/C0603B476M007T/16895203, LastUpdated="2/9/2024 8:09:41 PM", Lifecycle Status=Active, Minimum Order=1, Mounting Type="Surface Mount, MLCC", Package / Case="0603 (1608 Metric)", Packaging=TapeAndReel, Part Number=C0603B476M007T, Part Status=Active, PartId=48531, Price=0.12, Series=HCC, Size / Dimension="0.063\" L x 0.031\" W (1.60mm x 0.80mm)", Supplier 1=DigiKey, Thickness (Max)="0.039\" (1.00mm)"
D1 D12: "DIODE GEN PURP 400V 1A DO219AB", Capacitance @ Vr, F="7.5pF @ 4V, 1MHz", Current - Average Rectified (Io)=1A, Current - Reverse Leakage @ Vr="5µA @ 400V", Manufacturer="Vishay Semiconductor Diodes Division", Operating Temperature - Junction="-55°C ~ 175°C", Package / Case=DO-219AB, Supplier Device Package="DO-219AB (SMF)", Supplier Part Number 1=SE10FGHM3/HGICT-ND, Voltage - DC Reverse (Vr) (Max)=400V, Voltage - Forward (Vf) (Max) @ If="1.05V @ 1A", ComponentLink1Description=Datasheet, ComponentLink1URL=http://www.vishay.com/docs/87722/se10fd-se10fg-se10fj.pdf, ComponentLink2Description="DigiKey Link", ComponentLink2URL=http://digikey.com/product-detail/en/vishay-semiconductor-diodes-division/SE10FGHM3-H/SE10FGHM3-HGICT-ND/8565217, Diode Type=Standard, LastUpdated="6/3/2024 8:05:29 PM", Lifecycle Status=Active, Minimum Order=1, Mounting Type="Surface Mount", Packaging=TapeAndReel, Part Number=SE10FGHM3/H, Part Status=Active, PartId=1227, Price=0.10, Reverse Recovery Time (trr)=780ns, Series="Automotive, AEC-Q101", Speed="Standard Recovery >500ns, > 200mA (Io)", Supplier 1=DigiKey
D2 D3 D4 D5 D6: "TVS DIODE 3.3V 14.2PF DFN1006", Capacitance @ Frequency="11.5pF @ 1MHz", Current - Peak Pulse (10/1000µs)="8A (8/20µs)", Device Package="0402 (1005 Metric)", Manufacturer="INPAQ Technology Co., Ltd", Operating Temperature="150°C (TJ)", Power Line Protection=No, Supplier Device Package=DFN1006, Supplier Part Number 1=3526-TVN3V3B1S-DFN1006-2LDGCT-ND, Voltage - Breakdown (Min)=4V, Voltage - Clamping (Max) @ Ipp="6.6V (Typ)", Voltage - Reverse Standoff (Typ)="3.3V (Max)", Applications="General Purpose", Bidirectional Channels=1, ComponentLink1Description=Datasheet, ComponentLink1URL=https://mm.digikey.com/Volume0/opasdata/d220001/medias/docus/5383/TVN3V3B1S-DFN1006-2LDG.pdf, ComponentLink2Description="DigiKey Link", ComponentLink2URL=https://www.digikey.com/en/products/detail/inpaq-technology-co-ltd/TVN3V3B1S-DFN1006-2LDG/20486686, LastUpdated="6/3/2024 8:22:57 PM", Lifecycle Status=Active, Minimum Order=1, Mounting Type="Surface Mount", Package / Case="0402 (1005 Metric)", Packaging=TapeAndReel, Part Number=TVN3V3B1S-DFN1006-2LDG, PartId=11821, Price=0.02, Series=TVN, Supplier 1=DigiKey, Type=Zener
D9 D11: library part XZCDGK53W-8VF, "LED GREEN CLEAR 2SMD", Current - Test=2mA, Device Package="0603 (1608 Metric)", Lens Color=Colorless, Manufacturer=SunLED, Millicandela Rating=417mcd, Supplier Device Package=2-SMD, Supplier Part Number 1=1497-XZCDGK53W-8VFCT-ND, Voltage - Forward (Vf) (Typ)=2.65V, Color=Green, ComponentLink1Description=Datasheet, ComponentLink1URL=https://www.sunledusa.com/products/spec/XZCDGK53W-8VF.pdf, ComponentLink2Description="DigiKey Link", ComponentLink2URL=https://www.digikey.com/en/products/detail/sunled/XZCDGK53W-8VF/10449775, Configuration=Independent, Height (Max)=1.10mm, LastUpdated="6/3/2024 7:58:52 PM", Lens Size="0.35mm Dia", Lens Style="Round with Domed Top", Lens Transparency=Clear, Lifecycle Status=Active, Minimum Order=1, Mounting Type="Surface Mount", Package / Case="0603 (1608 Metric)", Packaging=TapeAndReel, Part Number=XZCDGK53W-8VF, Part Status=Active, PartId=938, Price=0.15, Series="Ultra Low Current", Size / Dimension="1.60mm L x 0.80mm W", Supplier 1=DigiKey, Viewing Angle=60°, Wavelength - Dominant=525nm, Wavelength - Peak=515nm
ICSP1 J1: "CONN HEADER SMD R/A 5POS 1MM", Current Rating (Amps)=0.7A, Insulation Color=Natural, Manufacturer="JST Sales America Inc.", Material Flammability Rating="UL94 V-0", Operating Temperature="-25°C ~ 85°C", Supplier Part Number 1=455-1805-1-ND, Voltage Rating=50V, ComponentLink1Description=Datasheet, ComponentLink1URL=http://www.jst-mfg.com/product/pdf/eng/eSH.pdf, ComponentLink2Description="DigiKey Link", ComponentLink2URL=http://digikey.com/product-detail/en/jst-sales-america-inc/SM05B-SRSS-TB-LF-SN/455-1805-1-ND/926876, Connector Type=Header, Contact Finish - Mating=Tin, Contact Finish - Post=Tin, Contact Material="Copper Alloy", Contact Shape=Square, Contact Type="Male Pin", Fastening Type=Push-Pull, Features="Solder Retention", Insulation Height="0.114\" (2.90mm)", Insulation Material="Polyamide (PA), Nylon", LastUpdated="1/12/2020 11:42:04 PM", Lifecycle Status=Active, Minimum Order=1, Mounting Type="Surface Mount, Right Angle", Number of Positions=5, Number of Positions Loaded=All, Number of Rows=1, Packaging=TapeAndReel, Part Number=SM05B-SRSS-TB(LF)(SN), Part Status=Active, PartId=63, Pitch - Mating="0.039\" (1.00mm)", Price=0.32, Series=SR, Shrouding="Shrouded - 4 Wall", Style="Board to Cable/Wire", Supplier 1=DigiKey, Termination=Solder
J2: "CONN HEADER SMD R/A 6POS 1MM", Current Rating (Amps)=0.7A, Insulation Color=Natural, Manufacturer="JST Sales America Inc.", Material Flammability Rating="UL94 V-0", Operating Temperature="-25°C ~ 85°C", Supplier Part Number 1=455-1806-1-ND, Voltage Rating=50V, ComponentLink1Description=Datasheet, ComponentLink1URL=http://www.jst-mfg.com/product/pdf/eng/eSH.pdf, ComponentLink2Description="DigiKey Link", ComponentLink2URL=http://digikey.com/product-detail/en/jst-sales-america-inc/SM06B-SRSS-TB-LF-SN/455-1806-1-ND/926877, Connector Type=Header, Contact Finish - Mating=Tin, Contact Finish - Post=Tin, Contact Material="Copper Alloy", Contact Shape=Square, Contact Type="Male Pin", Fastening Type=Push-Pull, Features="Solder Retention", Insulation Height="0.114\" (2.90mm)", Insulation Material="Polyamide (PA), Nylon", LastUpdated="1/12/2020 11:42:14 PM", Lifecycle Status=Active, Minimum Order=1, Mounting Type="Surface Mount, Right Angle", Number of Positions=6, Number of Positions Loaded=All, Number of Rows=1, Packaging=TapeAndReel, Part Number=SM06B-SRSS-TB(LF)(SN), Part Status=Active, PartId=64, Pitch - Mating="0.039\" (1.00mm)", Price=0.36, Series=SR, Shrouding="Shrouded - 4 Wall", Style="Board to Cable/Wire", Supplier 1=DigiKey, Termination=Solder
L1: library part AIML-1008HC-2R2M-T, "FIXED IND 2.2UH 1.5A 90 MOHM SMD", Current Rating (Amps)=1.5A, DC Resistance (DCR)=90mOhm, Device Package="1008 (2520 Metric)", Frequency - Self Resonant=40MHz, Inductance Frequency - Test=1MHz, Manufacturer="Abracon LLC", Operating Temperature="-55°C ~ 125°C", Supplier Part Number 1=535-12795-1-ND, Tolerance=±20%, ComponentLink1Description=Datasheet, ComponentLink1URL=https://abracon.com/Magnetics/inductors/AIML-1008HC.pdf, ComponentLink2Description="DigiKey Link", ComponentLink2URL=http://digikey.com/product-detail/en/abracon-llc/AIML-1008HC-2R2M-T/535-12795-1-ND/5043541, Height - Seated (Max)="0.039\" (1.00mm)", Inductance=2.2µH, LastUpdated="9/2/2020 1:29:58 AM", Lifecycle Status=Active, Material - Core=Ferrite, Minimum Order=1, Mounting Type="Surface Mount", Package / Case="1008 (2520 Metric)", Packaging=TapeAndReel, Part Number=AIML-1008HC-2R2M-T, Part Status=Active, PartId=3534, Price=0.12, Series=AIML-1008HC, Shielding=Shielded, Size / Dimension="0.098\" L x 0.079\" W (2.50mm x 2.00mm)", Supplier 1=DigiKey, Supplier Device Package="1008 (2520 Metric)", Type=Multilayer
L2: library part MLP2520S4R7ST0S1, "FIXED IND 4.7UH 1A 110 MOHM SMD", Current Rating (Amps)=1A, DC Resistance (DCR)="143mOhm Max", Device Package="1008 (2520 Metric)", Inductance Frequency - Test=2MHz, Manufacturer="TDK Corporation", Operating Temperature="-40°C ~ 125°C", Supplier Part Number 1=445-6378-1-ND, Tolerance=±20%, ComponentLink1Description=Datasheet, ComponentLink1URL=https://product.tdk.com/info/en/catalog/datasheets/inductor_commercial_power_mlp2520_en.pdf?ref_disty=digikey, ComponentLink2Description="DigiKey Link", ComponentLink2URL=http://digikey.com/product-detail/en/tdk-corporation/MLP2520S4R7ST0S1/445-6378-1-ND/2465705, Height - Seated (Max)="0.039\" (1.00mm)", Inductance=4.7µH, LastUpdated="9/2/2020 1:29:23 AM", Lifecycle Status=Active, Material - Core=Ferrite, Minimum Order=1, Mounting Type="Surface Mount", Package / Case="1008 (2520 Metric)", Packaging=TapeAndReel, Part Number=MLP2520S4R7ST0S1, Part Status=Active, PartId=3467, Price=0.14, Series=MLP, Shielding=Shielded, Size / Dimension="0.098\" L x 0.079\" W (2.50mm x 2.00mm)", Supplier 1=DigiKey, Supplier Device Package="1008 (2520 Metric)", Type=Multilayer
Q1 Q2 Q3 Q4 Q5 Q6 Q7: "N-FET"
R1 R2 R3 R4 R6 R7 R9 R10 R11 R12 R13 R14 R15 R16 R17 R18 R19 R20 R21 R22 R23 R24 R27 R28 R29 R30 R32 R33 R34 R35 R38 R40 R41 R42 R43 R44 R45 R46 R47 R48: library part RES_0402, "RES 0402"
R5 R8 R31: library part KRL1632E-M-R039-F-T5, "RES 0.039 OHM 1% 3/4W 1206", Device Package="1206 (3216 Metric)", Manufacturer=Susumu, Operating Temperature="-55°C ~ 155°C", Power (Watts)="0.75W, 3/4W", Ratings=AEC-Q200, Resistance="39 mOhms", Supplier Device Package=1206, Supplier Part Number 1=408-1577-1-ND, Temperature Coefficient=±50ppm/°C, Tolerance=±1%, ComponentLink1Description=Datasheet, ComponentLink1URL=http://www.susumu.co.jp/common/pdf/n_catalog_partition09_en.pdf, ComponentLink2Description="DigiKey Link", ComponentLink2URL=https://www.digikey.com/en/products/detail/susumu/KRL1632E-M-R039-F-T5/3738003, Composition="Metal Foil", Features="Automotive AEC-Q200, Current Sense", Height - Seated (Max)="0.028\" (0.70mm)", LastUpdated="2/9/2024 8:54:46 PM", Lifecycle Status=Active, Minimum Order=1, Number of Terminations=2, Package / Case="1206 (3216 Metric)", Packaging=TapeAndReel, Part Number=KRL1632E-M-R039-F-T5, Part Status=Active, PartId=26838, Price=0.09, Series=KRL, Size / Dimension="0.126\" L x 0.063\" W (3.20mm x 1.60mm)", Supplier 1=DigiKey
R25: library part APC0603B1K00N, "1/16 WATTS PRECISION CHIP 1 KILO", Device Package="0603 (1608 Metric)", Manufacturer=Ohmite, Operating Temperature="-55°C ~ 155°C", Power (Watts)="0.063W, 1/16W", Resistance="1 kOhms", Supplier Device Package=0603, Supplier Part Number 1=273-APC0603B1K00NCT-ND, Temperature Coefficient=±25ppm/°C, Tolerance=±0.1%, ComponentLink1Description=Datasheet, ComponentLink1URL=https://www.ohmite.com/assets/docs/APC-1-15.34.pdf, ComponentLink2Description="DigiKey Link", ComponentLink2URL=https://www.digikey.com/en/products/detail/ohmite/APC0603B1K00N/16369506, Composition="Thin Film", Height - Seated (Max)="0.022\" (0.55mm)", LastUpdated="2/9/2024 8:40:40 PM", Lifecycle Status=Active, Minimum Order=1, Number of Terminations=2, Package / Case="0603 (1608 Metric)", Packaging=TapeAndReel, Part Number=APC0603B1K00N, Part Status=Active, PartId=78336, Price=0.05, Series=APC, Size / Dimension="0.061\" L x 0.031\" W (1.55mm x 0.80mm)", Supplier 1=DigiKey
U1 U2 U3: library part UCC27282DRCR, "3-A, 120-V half bridge gate driver with 5-V UVLO, interlock and enable 10-VSON -40 to 125", Package="VSON-10 Texas Instruments", Availability=Warning, DigiKey-Purchase-URL=https://snapeda.com/shop?store=DigiKey&id=3625400, MF="Texas Instruments", MP=UCC27282DRCR, Price=None, SnapEDA_Link=https://www.snapeda.com/parts/UCC27282DRCR/Texas%20Instruments/view-part/3625400/?ref=snap, Texas_Instruments-Purchase-URL=https://snapeda.com/shop?store=Texas+Instruments&id=3625400
U4 U5: "I2C TEMP SENSOR"
U6: "PIC32MK Microcontroller IC 32-Bit 120MHz 1MB _1M x 8_ FLASH 64-TQFP _10x10_", Package="TQFP-64 Microchip", Digi-Key_Part_Number=PIC32MK1024MCF064-I/PT-ND, Digi-Key_Purchase_URL=https://www.digikey.kr/product-detail/en/microchip-technology/PIC32MK1024MCF064-I-PT/PIC32MK1024MCF064-I-PT-ND/7164902?utm_source=snapeda&utm_medium=aggregator&utm_campaign=symbol, MF=Microchip, MP=PIC32MK1024MCF064-I/PT, SnapEDA_Link=https://www.snapeda.com/parts/PIC32MK1024MCF064-I/PT/Microchip/view-part/876704/?ref=snap
U7 U8 U14: "INA185A2"
U9: "PFET Buck Controller"
U10: library part AP63205WU-7, "5V fixed step down Buck"
U11 U12: library part TLV74033PDQNR
U13: library part LM2901Q4T, "Comparator General Purpose CMOS, DTL, MOS, Open-Collector, TTL 16-QFN (3x3)"
U15: library part TPS22810DRVR, "Load switch TPS22810DRVR"
Y1: library part ASD3-27.000MHZ-EC-T, "XTAL OSC XO 27.0000MHZ HCMOS SMD", Current - Supply (Max)=4mA, Frequency Stability=±50ppm, Manufacturer="Abracon LLC", Operating Temperature="-20°C ~ 70°C", Package / Case="4-SMD, No Lead", Supplier Part Number 1=535-9608-1-ND, Voltage - Supply=1.8V, Base Resonator=Crystal, ComponentLink1Description=Datasheet, ComponentLink1URL=https://abracon.com/Oscillators/ASDseries.pdf, ComponentLink2Description="DigiKey Link", ComponentLink2URL=http://digikey.com/product-detail/en/abracon-llc/ASD3-27.000MHZ-EC-T/535-9608-1-ND/1237075, Frequency=27MHz, Function=Enable/Disable, Height - Seated (Max)="0.039\" (1.00mm)", LastUpdated="6/3/2024 8:02:05 PM", Lifecycle Status=Active, Minimum Order=1, Mounting Type="Surface Mount", Output=HCMOS, Packaging=TapeAndReel, Part Number=ASD3-27.000MHZ-EC-T, Part Status=Active, PartId=4, Price=1.74, Series=ASD, Size / Dimension="0.098\" L x 0.079\" W (2.50mm x 2.00mm)", Supplier 1=DigiKey, Type="XO (Standard)"

## Free pads (board coordinates)
  rect 3x3 smd far side: 1(1.7,35.8) 1(5.8,35.8)
  rect 3x2.8 smd: 1(1.7,35.9) 1(5.8,35.9)
  rect 3x3 all layers, no hole: 1(2.3,1.9) 1(6.4,1.9) 1(10.5,1.9)
  rrect50% 1x3 smd: 1(16.3,35.5) 1(18.1,35.5) 1(19.9,35.5)
  rrect50% 1.5x1 smd far side: 1(20.1,9.8) 1(20.1,11.2) 1(20.1,12.6)

## Via types
v1: diameter 0.4, hole 0.3, Top Layer to Bottom Layer, tented both sides, 331 vias

## Nets (pads, with @x,y where several pads share a name; then routed paths per layer and width w, separated by ;. In a path a pad name is that pad's centre, name@x,y a point inside that pad or via, vN(x,y) a via of type N, cw(c..) or ccw(c..) an arc to the next point about the centre after c; other vN are vias at no path point)
3V3: C17.2 C18.1 C35.2 C37.1 R1.1 R4.1 R21.2 U4.8 U7.3 U8.3 U12.1 | length 44.1
  Layer 4 w0.254: v1(8.9,4.263) 8.905,4.263 9.268,3.9 12.521,3.9 ; v1(12.7,2.6) 13.9,2.6 ; v1(19.2,19.2) 20.492,17.908 20.492,4.75 18.102,2.36 v1(17.1,2.36) 17.047,2.36 16.807,2.6 13.9,2.6 ; 12.521,3.9 12.521,5.806 v1(12.8,6.084) v1(13.5,6.084) 13.5,6.031 13.9,5.631 13.9,3.9 ; 12.521,3.9 13.9,3.9 ; 13.9,2.6 13.9,3.9
  Bottom Layer w0.254: v1(8.9,4.263) C17.2@8.9,4.86 8.92,4.86 9.307,4.473 9.748,4.473 9.75,4.471 U4.8@9.75,4.35 ; v1(12.7,2.6) 12.8,2.5 C37.1@12.8,2.46 13.702,2.46 13.75,2.412 U7.3@13.75,2.3 13.788,2.263 13.788,1.337 R4.1@13.825,1.3 ; v1(12.8,6.084) v1(13.5,6.084) 13.538,6.122 13.687,6.122 C35.2@13.86,6.295 ; C35.2@13.86,6.28 C35.2@13.86,6.295 ; U12.1@14.025,7.37 14.025,6.465 C35.2@13.86,6.3 ; v1(17.1,2.36) 18.002,2.36 18.05,2.312 U8.3@18.05,2.3 18.05,2.2 18.087,2.163 18.087,1.237 R1.1@18.125,1.2 ; C35.2@13.86,6.295 C35.2@13.86,6.3 ; C35.2@13.86,6.295 C35.2@13.86,6.3
3V3_MCU: C16.2 C20.2 C21.2 C22.2 C23.2 C24.2 C33.2 C41.2 C50.1 C58.2 ICSP1.2 R11.2 R23.1 U5.7 U5.8 U6.10 U6.19 U6.26 U6.34 U6.35 U6.38 U6.57 U11.1 U13.1 U14.3 Y1.4 | length 61.7
  Top Layer w0.254: C23.2@3.44,27.4 3.445,27.395 4.331,27.395 v1(4.336,27.39) ; v1(4.287,19.377) 4.301,19.391 4.301,19.659 U6.57@4.951,20.31 5.6,20.959 5.6,21 ; U6.38@5.658,27.643 6.251,27.05 6.35,27.05 ; U6.35@6.719,28.703 6.715,28.703 6.346,29.072 5.828,29.072 v1(5.8,29.1) 5.822,29.1 6.222,29.5 6.625,29.5 7.068,29.057 U6.34@7.073,29.057 ; v1(11.189,28.311) 11.175,28.297 11.175,27.947 U6.26@10.516,27.289 10.512,27.289 9.973,26.75 9.85,26.75 ; C21.2@12.348,20.246 v1(12.524,20.246) 12.575,20.297 13.928,20.297 R11.2@14.1,20.125 ; C21.2@12.436,20.335 12.398,20.297 12.302,20.297 11.581,21.017 U6.10@11.577,21.017 10.944,21.65 10.85,21.65 ; ICSP1.2@16.068,28.1 15.593,28.1 14.3,26.807 14.3,25.983 13.939,25.622 v1(13.939,25.564) 13.741,25.564 U6.19@12.991,24.814 12.4,24.223 12.4,24.2 ; 5.6,21 7.6,19 8.2,19 10.85,21.65 ; 5.6,21 3.2,23.4 3.2,23.9 6.35,27.05 ; 6.35,27.05 7.6,28.3 8.3,28.3 9.85,26.75 ; 9.85,26.75 12.4,24.2 ; 10.85,21.65 12.6,23.4 12.6,24 12.4,24.2
  Bottom Layer w0.127: U14.3@5.05,25.6 5.05,25.35 5.3,25.1 7.25,25.1 7.915,25.765 Y1.4@7.965,25.765
  Bottom Layer w0.254: R23.1@4.3,27.7 4.318,27.682 R23.1@4.318,27.408 ; v1(4.336,27.39) R23.1@4.318,27.408 ; U14.3@5.05,25.6 5.002,25.648 5.002,26.638 4.767,26.873 4.767,27.21 4.615,27.363 4.364,27.363 R23.1@4.318,27.408 ; v1(5.8,29.1) 6.4,28.5 C16.2@6.4,27.94 C16.2@6.42,27.94 ; U5.7@7.3,27.7 6.66,27.7 C16.2@6.42,27.94 ; U5.8@7.3,28.2 6.68,28.2 C16.2@6.42,27.94 ; Y1.4@7.965,25.765 8.19,25.54 C58.2@9.2,25.54 ; U11.1@15.625,21.97 15.625,21.065 v1(15.46,20.9) 15.633,20.727 15.633,20.352 15.782,20.204 16.148,20.204 16.535,19.817 U13.1@16.535,18.75 17.597,18.75 17.597,18.757 C41.2@17.6,18.76
5V: C28.2 C29.2 C32.2 C34.2 C62.2 L2.2 pad.1@20.1,11.2 R22.2 U10.1 U11.3 U11.4 U12.3 U12.4 | length 45.1
  Layer 3 w0.254: v1(14.8,8.24) 18.54,8.24 19.6,9.3 v1(19.6,11.5)
  Layer 4 w0.5: v1(16.4,22.84) 17.06,22.84 17.2,22.7 ; v1(17.195,23.9) v1@17.2,23.9 ; v1(18,24.5) 17.4,23.9 v1@17.2,23.9 ; v1(19.6,11.5) 19.6,12.6 19.985,12.985 19.985,17.047 19.232,17.8 18.5,17.8 17.023,19.277 17.023,19.879 17.577,20.433 17.577,22.323 17.2,22.7 ; 17.2,22.7 v1@17.2,23.9
  Bottom Layer w0.127: U12.3@13.375,8.23 13.375,8.575 13.5,8.7 13.9,8.7 14.025,8.575 U12.4@14.025,8.23 ; U11.3@14.975,22.83 14.975,23.075 15.1,23.2 15.5,23.2 15.6,23.1 15.6,22.855 U11.4@15.625,22.83
  Bottom Layer w0.254: 14.015,8.22 U12.4@14.025,8.23 14.79,8.23 C34.2@14.777,8.243 ; C29.2@15.225,24.7 15.225,24.65 15.975,23.9 16.42,23.9 ; U11.4@15.625,22.83 15.635,22.84 v1(16.4,22.84) ; C32.2@16.42,22.84 v1(16.4,22.84) ; U10.1@20.1,29.45 20.02,29.37 19.368,29.37 18.9,28.903 18.9,27.2 17.9,26.2 17.9,24.6 v1(18,24.5) 17.962,24.462 17.757,24.462 v1(17.195,23.9) 16.42,23.9 ; v1(16.4,22.84) 16.42,22.86 16.42,23.9
  Bottom Layer w0.512: C62.2@14,26.925 14.05,26.925 14.244,26.731 14.244,26.156 15.031,25.369 15.031,24.894 C29.2@15.225,24.7 15.419,24.894 15.419,25.175 15.419,25.419 15.836,25.836 16.216,25.836 16.26,25.88 C28.2@16.26,25.9 16.26,27.065 L2.2@16,27.325
  other v1: 19.2,17.8
5VREG_BST: C26.1 U10.6 | length 1.5
  Bottom Layer w0.254: U10.6@17.9,29.45 18.05,29.45 18.595,29.995 18.595,30.355 C26.1@18.74,30.5
5VREG_SW: C26.2 L2.1 U10.5 | length 2.1
  Bottom Layer w0.254: L2.1@16,29.875 16.432,30.307 17.687,30.307 17.86,30.48 C26.2@17.86,30.5
12V: C2.1 C3.1 C5.1 C6.1 C8.1 C9.1 C14.2 C27.2 C30.2 C31.2 C39.2 C54.2 C55.2 C56.2 C59.2 C61.2 L1.2 R3.1 R9.1 R14.1 R19.1 R28.2 U1.1 U2.1 U3.1 U10.2 U10.3 | length 31.9
  Top Layer w0.35: C39.2@11.24,32.6 11.24,32.62 11.803,33.183 11.803,34.353 11.847,34.353 v1(11.8,34.4) ; C39.2@11.3,32.68 R19.1@11.3,31.6 ; L1.2@11.74,34.4 11.74,35 11.74,35.1 11.8,35.04 v1(11.8,35) ; R28.2@12,30.6 R28.2@12,30.675 ; R19.1@11.3,31.6 11.36,31.66 C56.2@12.3,31.66 12.4,31.56 12.4,31.075 R28.2@12,30.675 ; R19.1@11.3,31.6 11.3,31.375 R28.2@12,30.675
  PWR 2 w0.35: v1(13.086,31.264) 14.7,31.264
  Bottom Layer w0.254: U1.1@3,13.5 3,13.18 ; v1(3.737,10.928) 3.7,10.966 3.295,10.966 2.76,11.501 C2.1@2.76,11.6 C3.1@2.76,12.6 2.76,12.62 3,12.86 3,13.18 ; v1(3.902,13.272) 3.092,13.272 3,13.18 ; U2.1@7.1,13.5 7.1,13.18 ; v1(7.837,10.928) 7.8,10.966 7.395,10.966 6.86,11.501 C6.1@6.86,11.6 C5.1@6.86,12.6 6.86,12.62 7.1,12.86 7.1,13.18 ; v1(8.002,13.272) 7.192,13.272 7.1,13.18 ; U3.1@11.2,13.5 11.2,13.18 ; v1(11.937,10.928) 11.9,10.966 11.495,10.966 10.96,11.501 10.96,12.62 11.2,12.86 11.2,13.18 ; v1(12.102,13.272) 11.292,13.272 11.2,13.18 ; v1(12.941,10.463) 12.978,10.426 R3.1@13.399,10.426 ; R3.1@13.4,10.425 R3.1@13.4,10.4 13.4,10.325 R14.1@15.4,10.325 ; C30.2@20,25.225 v1(20.075,25.3)
  Bottom Layer w0.6: v1(20.075,25.3) 20.225,25.45 20.225,26.036 20.24,26.051 v1(20.24,26.5) 20.24,27.5 20.19,27.55 v1(20.145,27.55) U10.3@20.1,27.55 U10.2@20.1,28.5
  Bottom Layer w0.8: C61.2@19.9,21.4 C54.2@19.9,23.2 20.1,23.4 20.1,25.275 v1(20.075,25.3)
  other v1: 19.6,24.8 20.5,24.8 12.4,34.4 12.4,35 11.8,35.6 12.4,35.6 11.8,36.2 12.4,36.2
12VREG_ADJ: C40.1 R17.2 U9.1 | length 3.7
  Top Layer w0.254: R17.2@5.525,30.3 R17.2@5.6,30.3 6.154,30.854 7.114,30.854 7.4,31.14 ; U9.1@7.4,31.65 7.4,31.14 ; C40.1@8.36,31.2 8.3,31.14 7.4,31.14
12VREG_FB: C39.1 R19.2 R20.1 U9.3 | length 5.7
  Top Layer w0.127: U9.3@7.4,32.65 7.575,32.65 7.636,32.712 7.636,32.726 7.711,32.8 10.16,32.8 C39.1@10.36,32.6 10.3,32.54 R19.2@10.3,31.6 ; R20.1@10.2,30.1 10.2,30.175 10.462,30.437 10.462,31.364 R19.2@10.3,31.525
12VREG_LX: D12.2 L1.1 Q7.5 Q7.6 Q7.7 Q7.8 U9.5 | length 11.4
  Top Layer w0.254: U9.5@4.6,33.15 4.771,33.15 4.773,33.152 4.773,33.499 4.921,33.647 v1(4.921,33.7)
  Layer 3 w0.4: v1(4.921,33.7) 6.4,33.7 7,34.3 8.547,34.3 8.747,34.1 v1(8.8,34.1)
  Bottom Layer w0.254: v1(8.8,35.5) 8.827,35.527 9.132,35.527 9.175,35.57 Q7.6@9.175,35.8 ; v1(9.5,35.5) 9.527,35.527 9.782,35.527 9.825,35.57 Q7.7@9.825,35.8
  Bottom Layer w0.512: Q7.7@9.929,35.8 11.029,36.9 13.45,36.9 13.856,36.494 13.856,36.444 14.25,36.05 D12.2@14.3,36.05
  other v1: 9.5,34.1 8.8,34.8 9.5,34.8 8.8,36.2 9.5,36.2